# Altium PCB Power Selection_bottom_component.PcbDoc (part 2 of 2)
Units mm, origin at the board's own origin, x right, y up, seen from the top; angles counter-clockwise.
Board outline 95 x 95 mm, 4 copper layers (Top Layer, Ground, Signal, Bottom Layer), stack 0.777 mm thick; 138 components, 66 nets, 551 pads, 136 vias.
Unrouted connection lines stored in the file: 1.
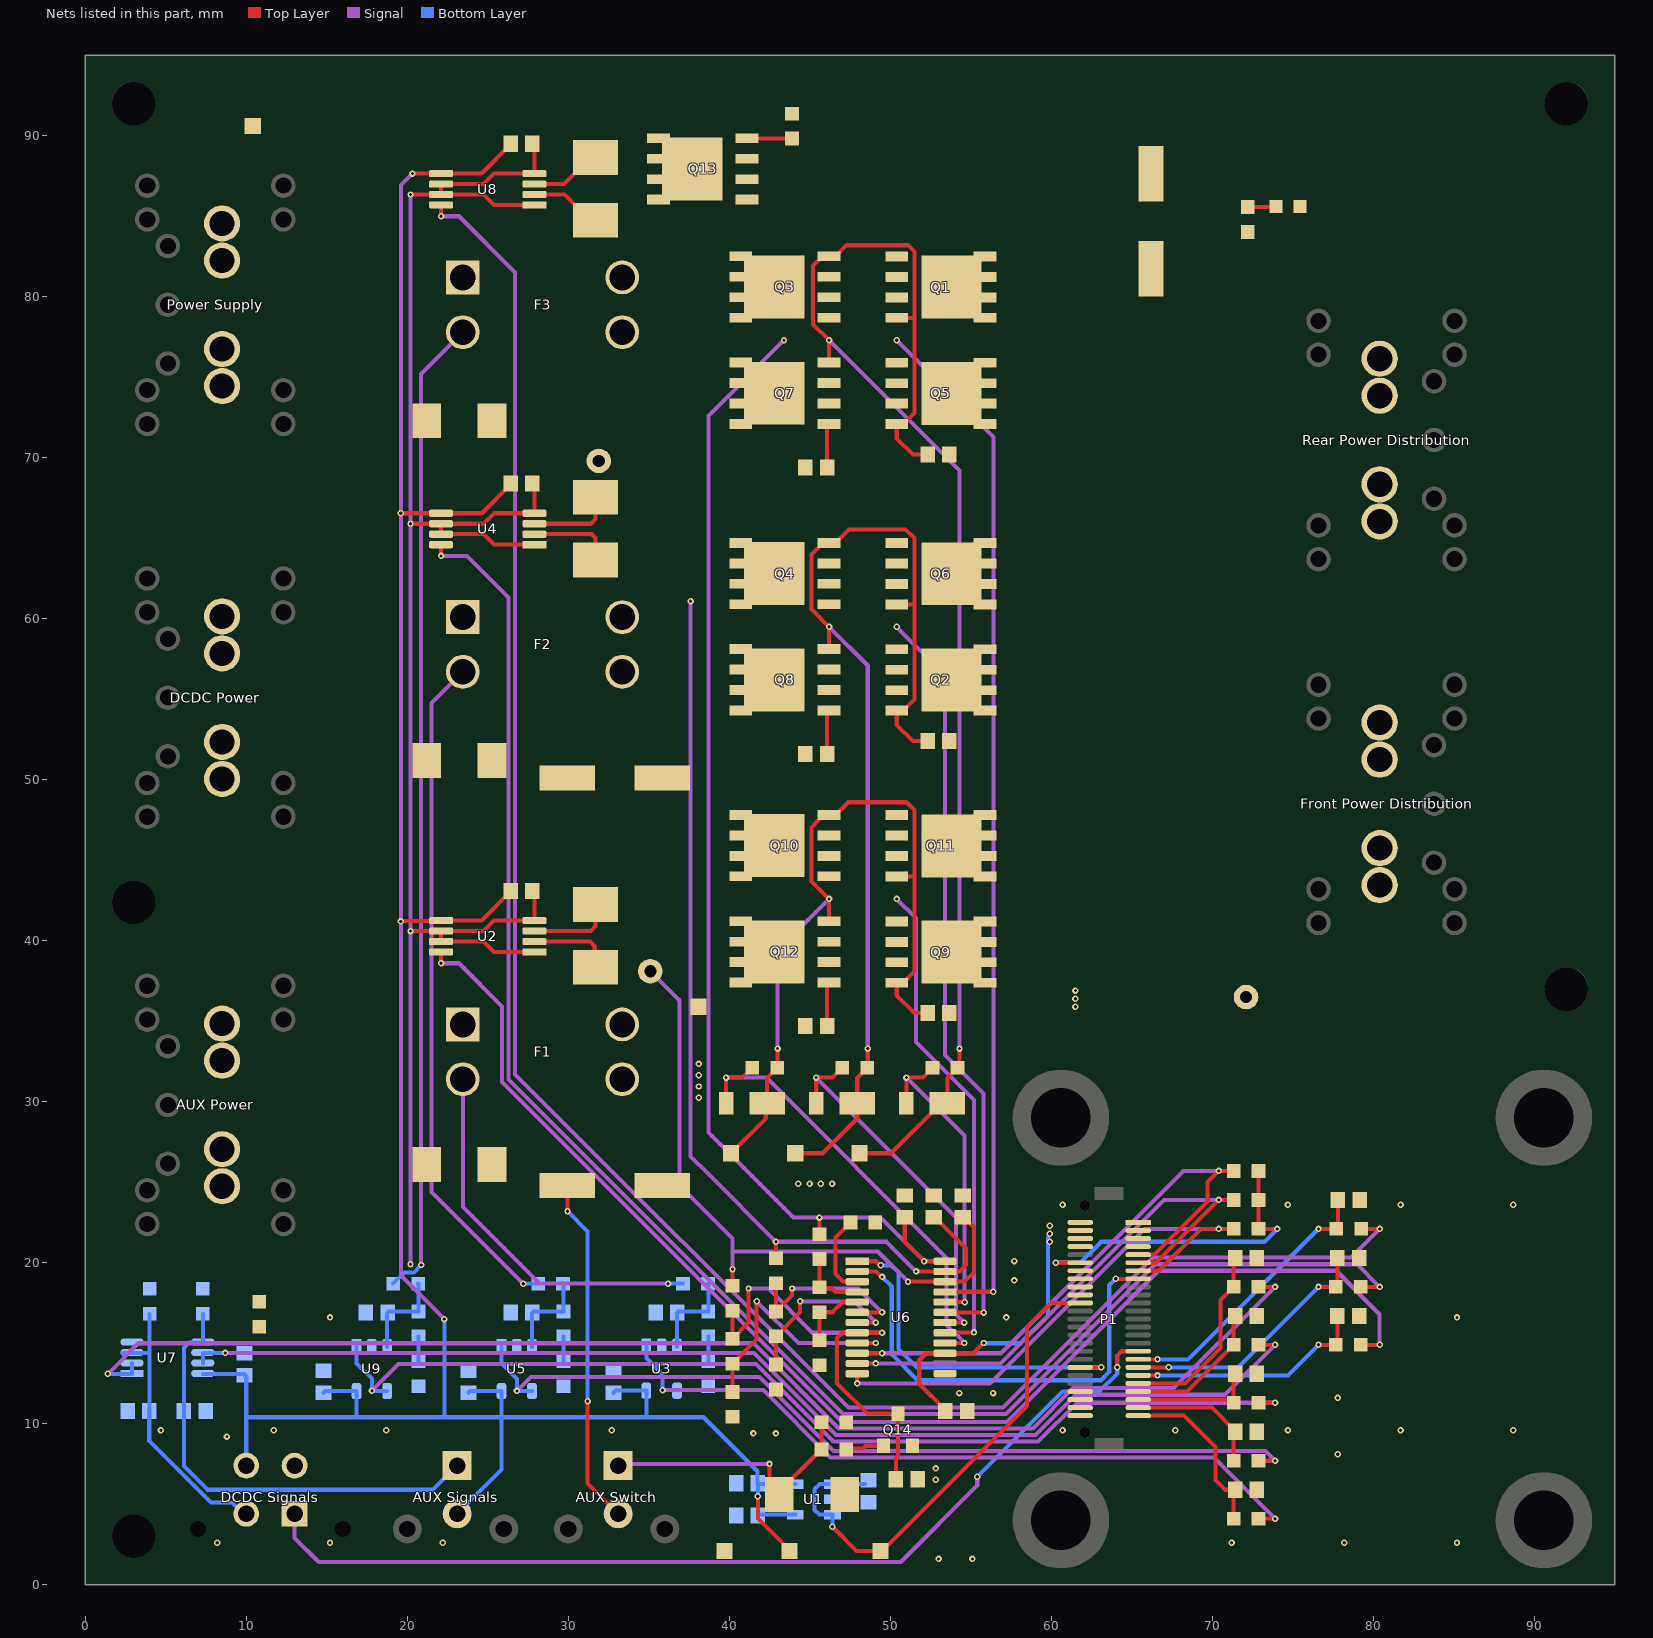
[diagram p4: the nets of this part, all layers, seen from the top]

## Part data (continued)
R28: "76.8 kOhms ±1% 0.1W, 1/10W Chip Resistor 0603 (1608 Metric) Automotive AEC-Q200 Thick Film", Power (Watts)=1/10W, Resistance="76.8 k", Supplier Part Number 1=RMCF0603FT76K8CT-ND, ComponentLink1Description=https://www.seielect.com/catalog/sei-rmcf_rmcp.pdf, ComponentLink1URL=https://www.seielect.com/catalog/sei-rmcf_rmcp.pdf, Supplier 1=Digi-Key
R41: library part CMP-010-0039-1, "1 kOhms ��0.1% 0.1W, 1/10W Chip Resistor 0603 (1608 Metric) Automotive AEC-Q200 Thin Film", Case Code (Metric)=1608, Case/Package=0603, Manufacturer=Panasonic, Manufacturer Part Number=ERA3AEB103V, Max Operating Temperature=155��C, Max Power Dissipation=100mW, Min Operating Temperature=-55��C, Package Quantity=5000, Temperature Coefficient=25ppm/��C, Tolerance=0.1%, Voltage Rating=75V, ComponentLink1Description=Digikey, ComponentLink1URL=https://www.digikey.ca/product-detail/en/panasonic-electronic-components/ERA-3AEB102V/P1.0KDBCT-ND/1466052, ComponentLink2Description=http://www.farnell.com/datasheets/485442.pdf, ComponentLink2URL=http://www.farnell.com/datasheets/485442.pdf, ComponentLink3Description=http://industrial.panasonic.com/www-data/pdf/AOA0000/AOA0000CE26.pdf, ComponentLink3URL=http://industrial.panasonic.com/www-data/pdf/AOA0000/AOA0000CE26.pdf, ComponentLink4Description=http://www.farnell.com/datasheets/2052875.pdf, ComponentLink4URL=http://www.farnell.com/datasheets/2052875.pdf, ComponentLink5Description=http://www.farnell.com/datasheets/1776116.pdf, ComponentLink5URL=http://www.farnell.com/datasheets/1776116.pdf, ComponentLink6Description=http://uk.rs-online.com/webdocs/148c/0900766b8148c4ab.pdf, ComponentLink6URL=http://uk.rs-online.com/webdocs/148c/0900766b8148c4ab.pdf, ComponentLink7Description=http://www.farnell.com/datasheets/2059650.pdf, ComponentLink7URL=http://www.farnell.com/datasheets/2059650.pdf, ComponentLink8Description=http://www.produktinfo.conrad.com/datenblaetter/450000-474999/451250-da-01-en-WIDERSTAND_0603_ERA.pdf, ComponentLink8URL=http://www.produktinfo.conrad.com/datenblaetter/450000-474999/451250-da-01-en-WIDERSTAND_0603_ERA.pdf, Composition="Metal Film,Thin Film", Contact Plating=Tin, Depth=0.8mm, Design Item ID="RES SMD 1K OHM 0.1% 1/10W 0603", Height=0.45mm, Lead Free="Lead Free", Length=1.6mm, Military Standard=Not, Mount="Surface Mount", Number of Terminations=2, Packaging="Tape and Reel", Pins=2, Power Rating=100mW, Pricing 1="1 = 0.35000, 10 = 0.30000, 100 = 0.11720, 1000 = 0.04906, 2500 = 0.04498 (USD)", Radiation Hardening=No, REACH SVHC="No SVHC", RoHS=Yes, Source="Schematic Diagrams.SchLib", Stock 1=2747820, Termination=SMD/SMT, Voltage Rating (DC)=75V, Width=0.8mm
R43: library part CMP-010-0000-1, "RES SMD 0.0 OHM JUMPER 1/4W 0603", Manufacturer 1="Vishay Dale", Manufacturer Part Number 1=CRCW06030000Z0EAHP, Operating Temperature="-55°C ~ 155°C", Package / Case="0603 (1608 Metric)", Power (Watts)=1/4W, Supplier Device Package=0603, ComponentLink1Description=http://www.vishay.com/docs/20043/crcwhpe3.pdf, ComponentLink1URL=http://www.vishay.com/docs/20043/crcwhpe3.pdf, Composition="Thick Film", Design Item ID="RES 0.0 OHM 1/4W 0603", Failure Rate=-, Height - Seated (Max)="0.022\" (0.55mm)", Packaging="Cut Tape (CT)", Part Status=Active, Size / Dimension="0.063\" L x 0.033\" W (1.60mm x 0.85mm)", Source="Schematic Diagrams.SchLib"
U1: "Linear Voltage Regulator IC 1 Output 200mA SOT-23-5", Supplier Part Number 1=296-12159-1-ND, ComponentLink1Description=https://media.digikey.com/pdf/Data%20Sheets/Texas%20Instruments%20PDFs/TPS793_Rev2015.pdf, ComponentLink1URL=https://media.digikey.com/pdf/Data%20Sheets/Texas%20Instruments%20PDFs/TPS793_Rev2015.pdf, Supplier 1=Digi-Key
U2 U4 U8: library part "IC CURRENT AMPLIFIER INA240 8-TSSOP", "Current Sense Amplifier 1 Circuit 8-TSSOP", Current - Supply=1.8mA, Manufacturer 1="Texas Instruments", Manufacturer Part Number 1=INA240A3PWR, Operating Temperature="-40°C ~ 125°C", Package / Case="8-TSSOP (0.173\", 4.40mm Width)", Supplier Device Package=8-TSSOP, Supplier Part Number 1=296-45090-1-ND, Voltage - Supply, Single/Dual (±)="2.7 V ~ 5.5 V", Amplifier Type="Current Sense", Category="Integrated Circuits (ICs)", ComponentLink1Description=http://www.ti.com/lit/ds/symlink/ina240.pdf, ComponentLink1URL=http://www.ti.com/lit/ds/symlink/ina240.pdf, Description 1="IC AMP CURRENT SENSE 8-TSSOP", Mounting Type="Surface Mount", Output Type=-, Packaging="Cut Tape (CT)", Part Status=Active, Pricing 1="1=3.79, 10=3.397, 100=2.7311, 500=2.24388, 1000=1.85921 (CAD)", RoHS="RoHS Compliant", Slew Rate="2 V/µs", Stock 1=1286, Supplier 1=Digi-Key
U3 U5 U9: "General Purpose Amplifier 1 Circuit Rail-to-Rail SOT-23-5", Current - Output / Channel=50mA, Current - Supply=400µA, Manufacturer 1="Texas Instruments", Manufacturer Part Number 1=TLV316QDBVRQ1, Operating Temperature="-40°C ~ 125°C", Package / Case="SC-74A, SOT-753", Supplier Device Package=SOT-23-5, Supplier Part Number 1=296-45323-1-ND, Voltage - Supply, Single/Dual (±)="1.8 V ~ 5.5 V, ±0.9 V ~ 2.75 V", -3db Bandwidth=-, Amplifier Type="General Purpose", Category="Integrated Circuits (ICs)", ComponentLink1Description=http://www.ti.com/lit/ds/symlink/tlv316-q1.pdf, ComponentLink1URL=http://www.ti.com/lit/ds/symlink/tlv316-q1.pdf, Description 1="IC OP AMP GP RR 10MHZ 5-SOT-23", Mounting Type="Surface Mount", Number of Circuits=1, Output Type=Rail-to-Rail, Packaging="Cut Tape (CT)", Part Status=Active, Pricing 1="1=1.33, 10=1.185, 100=0.9234, 500=0.76276, 1000=0.60218 (CAD)", RoHS="RoHS Compliant", Slew Rate="6 V/µs", Stock 1=1747, Supplier 1=Digi-Key
U6: "OR Controller Source Selector Switch P-Channel 3:1 24-SSOP", Current - Output (Max)=-, Current - Supply=28µA, Manufacturer 1="Linear Technology", Manufacturer Part Number 1=LTC4417CGN#PBF, Operating Temperature="0°C ~ 70°C", Package / Case="24-SSOP (0.154\", 3.90mm Width)", Supplier Device Package=24-SSOP, Supplier Part Number 1=LTC4417CGN#PBF-ND, Voltage - Supply="2.5 V ~ 36 V", ComponentLink1Description=http://www.linear.com/docs/42408, ComponentLink1URL=http://www.linear.com/docs/42408, FET Type=P-Channel, Internal Switch(s)=No, Mounting Type="Surface Mount", Packaging=Tube, Part Status=Active, Ratio - Input:Output=3:1, Supplier 1=Digi-Key, Type="Source Selector Switch"
U7: "General Purpose Amplifier 2 Circuit Rail-to-Rail 8-VSSOP", Case/Package=VSSOP, Input Bias Current=5pA, Input Offset Voltage (Vos)=250uV, Manufacturer="Texas Instruments", Manufacturer Part Number=OPA2197IDGKR, Max Operating Temperature=125°C, Min Operating Temperature=-40°C, Operating Supply Current=1mA, Output Current per Channel=65mA, Supplier Part Number 1=296-47349-1-ND, ComponentLink1Description=http://www.ti.com/lit/ds/symlink/opa2197.pdf, ComponentLink1URL=http://www.ti.com/lit/ds/symlink/opa2197.pdf, Gain Bandwidth Product=10MHz, Lead Free="Lead Free", Mount="Surface Mount", Number of Channels=2, Number of Circuits=2, Packaging="Tape and Reel", Pricing 1="1=2.41, 10=2.162, 100=1.7376, 500=1.4276, 1000=1.1829 (USD)", Slew Rate=20V/µs, Stock 1=2171, Supplier 1=Digi-Key

## Free pads (board coordinates)
  round 2.7 hole 2.7: ""(3,3) ""(3,42.4) ""(3,92) ""(92,37) ""(92,92)

## Via types
v1: diameter 0.4, hole 0.2, Top Layer to Bottom Layer, tented both sides, 111 vias
v2: diameter 0.4, hole 0.2, Top Layer to Bottom Layer, 25 vias

## Nets (pads, with @x,y where several pads share a name; then routed paths per layer and width w, separated by ;. In a path a pad name is that pad's centre, name@x,y a point inside that pad or via, vN(x,y) a via of type N, cw(c..) or ccw(c..) an arc to the next point about the centre after c; other vN are vias at no path point)
3V3: 3V3TP.TP C1.1 P1.40 P1.41 P1.42 P1.43 P1.44 P1.45 R17.1 R18.1 R19.1 U1.1 U1.3 | length 52.7
  Top Layer w0.254: v1(46.4,3.6) 47.9,2.1 49.5,2.1 58.5,11.1 58.5,16 60,17.5 P1.40@61.8,17.5 ; v1(60.279,20) P1.45@61.8,20 ; R17.1@72.875,25.7 R18.1@72.875,23.9 R19.1@72.875,22.1 v1(74.037,22.1)
  Bottom Layer w0.254: v1@46.402,3.6 46.402,4.348 U1.3@46.4,4.35 45.598,4.35 45.3,4.648 45.3,5.928 45.622,6.25 U1.1@46.4,6.25 C1.1@48.423,6.25 ; v1(60.279,20) 61.804,20 63.104,21.3 73.237,21.3 v1(74.037,22.1)
AUX_BAT_IN: "AUX Power.1" D1.1 F1.1 F1.2 R4.1 | length 23.6
  Signal w0.254: F1.2@23.45,31.4 23.45,23.45 28.2,18.7 v1(36.2,18.7)
  Bottom Layer w0.254: v1(36.2,18.7) R4.1@37.125,18.7
AUX_FSD: "AUX Switch.2" C4.1 F1.3 F1.4 R2.1 U2.2 | length 26.9
  Top Layer w0.254: U2.2@27.9,39.95 31.35,39.95 31.643,39.657 31.643,38.407 R2.1@31.7,38.35 ; v1(29.95,23.2) C4.1@29.95,24.8 ; v1(31.2,11.4) 31.2,6.3 33.1,4.4
  Bottom Layer w0.254: v1(29.95,23.2) 31.2,21.95 v1(31.2,11.4)
AUX_FUSED: AUX.TH_TP C26.1 Q10.5 Q10.6 Q10.7 Q10.8 Q12.5 Q12.6 Q12.7 Q12.8 R2.2 R23.1 U2.3 U6.22 | length 46.7
  Top Layer w0.254: U2.3@27.9,40.6 31.4,40.6 31.7,40.9 R2.2@31.7,42.25 ; R23.1@40.2,18.575 v1(40.2,19.6) ; v1(51.1,18.822) 53.401,18.822 54.614,18.822 55.188,19.397 55.188,22.187 54.55,22.825 C26.1@54.5,22.825
  Signal w0.254: AUX.TH_TP@35.1,38.1 36.9,36.3 36.9,24.8 40.2,21.5 40.2,20.7 ; v1(40.2,19.6) 40.2,20.7 ; v1(51.1,18.822) 49.222,20.7 40.2,20.7
DCDC_FUSED: C25.1 DCDC.TH_TP Q4.5 Q4.6 Q4.7 Q4.8 Q8.5 Q8.6 Q8.7 Q8.8 R8.2 R21.1 U4.3 U6.23 | length 64.8
  Top Layer w0.254: U4.3@27.9,65.9 31.4,65.9 31.7,66.2 R8.2@31.7,67.55 ; R21.1@42.9,20.275 v1(42.9,21.3) ; v1(51.6,19.457) 53.401,19.457 54.291,19.457 54.7,19.866 54.7,20.875 C25.1@52.75,22.825
  Signal w0.254: v2(37.6,61.084) 37.6,26.6 38.7,25.5 v1(42.9,21.3) 49.757,21.3 v1(51.6,19.457)
DCDC_UNFUSED: "DCDC Power.1" D2.1 F2.1 F2.2 R10.1 | length 42.1
  Signal w0.254: F2.2@23.426,56.7 21.5,54.774 21.5,24.4 v1(27.2,18.7)
  Bottom Layer w0.254: v1(27.2,18.7) R10.1@28.125,18.7
GND: "AUX Power.2" "DCDC Power.2" "Front Power Distribution.2" "Power Supply.2" "Rear Power Distribution.2" C4.2 C10.2 C16.2 C17.2 C18.2 C22.2 D1.2 D2.2 D6.2 GND1.TP GND2.TP LED1.2 R35.2 R43.1
LDO_3V: "AUX Signals.2" "DCDC Signals.1" C3.1 C5.1 C7.1 C11.1 C13.1 C28.1 C33.1 C35.1 LDO_3V.TP U1.5 U2.5 U3.5 U4.5 U5.5 U7.8 U8.5 U9.5 | length 168.6
  Top Layer w0.254: v1(19.6,41.2) 19.625,41.225 U2.5@22.075,41.225 ; v1(19.6,66.55) U4.5@22.1,66.55 24.625,66.55 26.425,68.35 C11.1@26.425,68.4 ; v1(20.321,87.65) U8.5@22.1,87.65 24.625,87.65 26.425,89.45 C33.1@26.425,89.5 ; U2.5@22.1,41.25 24.625,41.25 26.425,43.05 C5.1@26.425,43.1 ; v1(41.775,5.5) 41.775,4.125 LDO_3V.TP@43.774,2.126
  Signal w0.254: v1(20.321,87.65) 19.6,86.929 v1(19.6,66.55) v1(19.6,41.2) 19.6,19.2 v2(22.3,16.5)
  Bottom Layer w0.254: U7.8@7.3,13.1 C28.1@9.9,13.1 ; C28.1@9.9,13.025 10,12.925 10,10.4 ; 10,7.4 10,10.4 ; C35.1@14.8,11.925 14.9,12.025 U9.5@16.85,12.025 16.85,10.4 ; v2(22.3,16.5) 22.3,10.4 ; 23.1,4.4 25.85,7.15 25.85,10.4 ; C13.1@23.8,11.925 23.9,12.025 U5.5@25.85,12.025 25.85,10.4 ; C7.1@32.8,11.925 32.925,12.05 U3.5@34.85,12.05 34.85,10.404 34.854,10.4 ; v1(41.775,5.5) 41.775,6.256 41.753,6.278 C3.1@41.775,6.3 ; U1.5@44.1,6.25 41.825,6.25 C3.1@41.775,6.3 ; 10,10.4 16.85,10.4 ; 16.85,10.4 22.3,10.4 ; 22.3,10.4 25.85,10.4 ; 25.85,10.4 34.854,10.4 ; 34.854,10.4 38.4,10.4 41.753,7.047 41.753,6.322 C3.1@41.775,6.3
"NetAUX Signals_1": "AUX Signals.1" C31.1 R33.1 U7.5 | length 28.6
  Bottom Layer w0.254: R33.1@7.3,16.825 U7.5@7.3,15.075 7.3,15.05 7.291,15.041 6.449,15.041 6.125,14.718 C31.1@6.125,10.8 6.125,7.375 7.6,5.9 21.6,5.9 23.1,7.4
"NetAUX Switch_1": "AUX Switch.1" D7.1 R41.1 R42.1 | length 17.3
  Top Layer w0.254: v1(42.5,7.5) 42.5,6.2 D7.1@43.1,5.6 43.1,5.79 45.412,8.102 45.427,8.102 R41.1@45.725,8.4 R42.1@45.725,10.1
  Signal w0.254: 33.1,7.4 33.2,7.3 33.4,7.5 v1(42.5,7.5)
NetC2_1: C2.1 U1.4 | length 2.3
  Bottom Layer w0.254: C2.1@41.775,4.3 41.825,4.35 U1.4@44.1,4.35
NetC8_1: C8.1 R4.2 R6.1 U3.3 | length 5.8
  Bottom Layer w0.254: U3.3@36.75,14.8 36.75,16.875 C8.1@36.775,16.9 36.85,16.975 R6.1@38.7,16.975 38.7,18.675 R4.2@38.675,18.7
NetC10_1: C10.1 F2.3 F2.4 R8.1 U4.2 | length 5.3
  Top Layer w0.254: U4.2@27.9,65.25 31.456,65.25 31.7,65.006 R8.1@31.7,63.65
NetC14_1: C14.1 R10.2 R12.1 U5.3 | length 5.8
  Bottom Layer w0.254: U5.3@27.75,14.775 27.75,16.875 C14.1@27.775,16.9 27.85,16.975 R12.1@29.7,16.975 29.7,18.675 R10.2@29.675,18.7
NetC27_1: C27.1 Q14.3 R23.2 R27.1 U6.8 | length 29.1
  Top Layer w0.254: R23.2@40.2,17.025 R27.1@40.2,15.275 41.2,16.275 v1(41.2,18.4) ; v1(49.491,15.647) U6.8@47.951,15.647 47.022,15.647 46.7,15.325 46.7,12.5 48.576,10.624 Q14.3@50.473,10.624 50.473,7.945 50.35,7.822 C27.1@50.35,6.549
  Signal w0.254: v1(41.2,18.4) 42.423,18.4 45.176,15.647 v1(49.491,15.647)
NetC29_1: "DCDC Signals.3" C29.1 R31.1 U7.3 | length 17.5
  Bottom Layer w0.254: U7.3@2.3,14.4 4,14.4 ; C29.1@3.975,10.8 3.975,8.925 7.8,5.1 9.1,5.1 9.8,4.4 10,4.4 ; C29.1@3.975,10.85 C29.1@4,10.825 ; C29.1@3.975,10.875 4,10.9 4,14.4 ; R31.1@4,16.825 4,14.4
NetC36_1: C36.1 R37.2 R39.1 U9.3 | length 5.8
  Bottom Layer w0.254: U9.3@18.75,14.775 18.75,16.875 C36.1@18.775,16.9 18.85,16.975 R39.1@20.7,16.975 20.7,18.675 R37.2@20.675,18.7
NetD3_1: D3.1 R14.2 U6.20 | length 20.2
  Top Layer w0.254: D3.1@51,29.9 v1(51,31.5) 52.025,31.5 R14.2@52.625,32.1 ; U6.20@53.401,17.552 53.405,17.549 54.627,17.549 v1(54.631,17.545)
  Signal w0.254: v1(51,31.5) 54.6,27.9 54.6,17.679 54.603,17.676 54.603,17.573 v1(54.631,17.545)
NetD4_1: D4.1 R15.2 U6.18 | length 23.7
  Top Layer w0.254: D4.1@45.4,29.9 v1(45.4,31.5) 46.425,31.5 R15.2@47.025,32.1 ; U6.18@53.406,16.287 U6.18@53.401,16.282 v1(54.6,16.282)
  Signal w0.254: v1(45.4,31.5) 54.092,22.808 54.092,16.791 v1(54.6,16.282)
NetD5_1: D5.1 R16.2 U6.16 | length 28.8
  Top Layer w0.254: D5.1@39.8,29.9 v1(39.8,31.5) 40.825,31.5 R16.2@41.425,32.1 ; U6.16@53.401,15.012 v1(54.6,15.012)
  Signal w0.254: v1(39.8,31.5) 42.3,31.5 53.5,20.3 53.5,16.144 54.6,15.044 v1(54.6,15.012)
NetF3_3: F3.3 F3.4 R34.1 U8.2 | length 4.5
  Top Layer w0.254: U8.2@27.9,86.35 29.775,86.35 31.375,84.75 R34.1@31.7,84.75
NetLED1_1: LED1.1 R1.2 | length 1.8
  Top Layer w0.254: R1.2@72.2,85.575 73.915,85.575 LED1.1@73.95,85.61
NetQ13_4: Q13.4 R35.1 | length 2.8
  Top Layer w0.254: Q13.4@41.1,89.84 43.885,89.84 R35.1@43.9,89.825
NetQ13_5: Q13.5 Q13.6 Q13.7 Q13.8 R34.2 U8.3 | length 4.5
  Top Layer w0.254: U8.3@27.9,87 29.725,87 31.375,88.65 R34.2@31.7,88.65
NetQ14_1: Q14.1 R41.2 | length 2.4
  Top Layer w0.254: R41.2@47.273,8.449 48.298,8.449 48.473,8.624 Q14.1@49.573,8.624
NetR3_1: R3.1 U2.8 | length 81.6
  Top Layer w0.254: v1(22.1,38.6) U2.8@22.1,39.3 ; R3.1@79.225,14.9 v1(80.4,14.9)
  Signal w0.254: v1(22.1,38.6) 23.2,38.6 25.888,35.912 25.888,31.212 46.994,10.106 57.254,10.106 66.648,19.5 77.7,19.5 80.4,16.8 v1(80.4,14.9)
NetR5_1: R5.1 U3.1 U3.4 | length 46.4
  Top Layer w0.254: R5.1@72.875,4.1 v1(73.9,4.1)
  Signal w0.254: v1(35.855,12.082) 42.118,12.082 46.3,7.9 70.1,7.9 v1(73.9,4.1)
  Bottom Layer w0.254: U3.1@34.85,14.8 34.854,14.796 34.854,14.068 35.8,13.122 35.855,13.067 v1(35.855,12.082) U3.4@36.718,12.082
NetR6_2: R6.2 R7.1 | length 1.6
  Bottom Layer w0.254: R7.1@38.7,13.875 R6.2@38.7,15.425
NetR9_1: R9.1 U4.8 | length 104.2
  Top Layer w0.254: v1(22.1,63.9) U4.8@22.1,64.6 ; R9.1@79.225,18.5 v1(80.4,18.5)
  Signal w0.254: v1(22.1,63.9) 23.7,63.9 26.294,61.306 26.294,31.38 47.074,10.6 57.174,10.6 66.48,19.906 78.994,19.906 v1(80.4,18.5)
NetR11_1: R11.1 U5.1 U5.4 | length 55.3
  Top Layer w0.254: R11.1@72.875,7.7 v1(73.9,7.7)
  Signal w0.254: v1(26.812,12.038) 27.679,12.904 41.87,12.904 46.468,8.306 73.294,8.306 v1(73.9,7.7)
  Bottom Layer w0.254: U5.1@25.85,14.775 25.85,13.749 26.812,12.787 26.812,12.062 26.8,12.05 v1(26.812,12.038) ; U5.4@27.75,12.025 27.737,12.038 27.426,12.038 ; v1(26.812,12.038) 27.426,12.038 ; v1(26.812,12.038) 27.426,12.038
NetR12_2: R12.2 R13.1 | length 1.6
  Bottom Layer w0.254: R13.1@29.7,13.875 R12.2@29.7,15.425
NetR20_2: R20.2 R22.1 U6.4 | length 4.2
  Top Layer w0.254: R20.2@45.6,20.225 R22.1@45.6,18.475 45.659,18.416 46.36,18.416 46.589,18.187 U6.4@47.951,18.187
NetR21_2: R21.2 R26.1 U6.6 | length 11.3
  Top Layer w0.254: R21.2@42.9,18.725 R26.1@42.9,16.975 43.9,17.975 v1(43.9,18.4) ; U6.6@47.951,16.917 v1(49.491,16.917)
  Signal w0.254: v1(43.9,18.4) 48.009,18.4 v1(49.491,16.917)
NetR22_2: R22.2 R25.2 U6.5 | length 4.4
  Top Layer w0.254: R25.2@45.6,15.175 R22.2@45.6,16.925 46.425,16.925 47.044,17.544 47.943,17.544 U6.5@47.951,17.552
NetR24_1: R24.1 U6.3 | length 5.1
  Top Layer w0.254: R24.1@47.525,22.5 46.589,21.564 46.589,19.31 47.057,18.843 47.931,18.843 U6.3@47.951,18.822
NetR26_2: R26.2 R28.1 U6.7 | length 10.9
  Top Layer w0.254: R28.1@42.9,13.675 R26.2@42.9,15.425 44.4,16.925 v1(44.4,17.6) ; U6.7@47.951,16.282 v1(49.1,16.282)
  Signal w0.254: v1(44.4,17.6) 47.782,17.6 v1(49.1,16.282)
NetR27_2: R27.2 R29.1 U6.9 | length 15.9
  Top Layer w0.254: R29.1@40.2,11.975 R27.2@40.2,13.725 41.7,15.225 v1(41.7,17.6) ; U6.9@47.951,15.012 v1(49.1,15.012)
  Signal w0.254: v1(41.7,17.6) 44.288,15.012 v1(49.1,15.012)
NetR30_1: R30.1 U7.1 U7.2 | length 82.3
  Top Layer w0.254: R30.1@72.875,18.5 v1(73.9,18.5)
  Signal w0.254: v1(1.4,13.1) 3.3,15 41.5,15 46.8,9.7 58.852,9.7 61.358,12.206 67.606,12.206 v1(73.9,18.5)
  Bottom Layer w0.254: v1(1.4,13.1) 2.9,13.1 U7.1@2.9,13.125 U7.2@2.9,13.75
NetR32_1: R32.1 U7.6 U7.7 | length 72.7
  Top Layer w0.254: R32.1@72.875,14.9 v1(73.9,14.9)
  Signal w0.254: v1(8.7,14.4) 41.523,14.4 46.629,9.294 59.02,9.294 61.526,11.8 70.8,11.8 v1(73.9,14.9)
  Bottom Layer w0.254: U7.7@7.3,13.75 U7.7@7.3,13.775 7.3,14.4 v1(8.7,14.4)
NetR36_1: R36.1 U8.8 | length 124.6
  Top Layer w0.254: v1(22.1,85) U8.8@22.1,85.7 ; R36.1@79.25,22.1 v1(80.4,22.1)
  Signal w0.254: v1(22.1,85) 23.2,85 26.7,81.5 26.7,31.7 47.394,11.006 57.006,11.006 66.312,20.312 78.612,20.312 v1(80.4,22.1)
NetR38_1: R38.1 U9.1 U9.4 | length 64.9
  Top Layer w0.254: R38.1@72.875,11.3 v1(73.9,11.3)
  Signal w0.254: v1(17.8,12.05) 19.45,13.7 41.648,13.7 46.46,8.888 59.188,8.888 61.6,11.3 v1(73.9,11.3)
  Bottom Layer w0.254: U9.1@16.85,14.775 16.85,13.744 17.8,12.794 v1(17.8,12.05) 17.812,12.038 18.737,12.038 U9.4@18.75,12.025
NetR39_2: R39.2 R40.1 | length 1.6
  Bottom Layer w0.254: R40.1@20.7,13.875 R39.2@20.7,15.425
PA0_AUX_VSENSE: C9.1 P1.25 R5.2 | length 11
  Top Layer w0.254: P1.25@65.4,10.5 68.25,10.5 70.2,8.55 70.2,6.5 70.8,5.9 71.325,5.9 C9.1@71.425,5.9 71.325,5.8 R5.2@71.325,4.1
PA1_DCDC_VSENSE: C15.1 P1.24 R11.2 | length 8.5
  Top Layer w0.254: P1.24@65.4,11 69.975,11 71.425,9.55 C15.1@71.425,9.5 71.325,9.4 R11.2@71.325,7.7
PA2_PWR_SUP_VSENSE: C37.1 P1.23 R38.2 | length 7.8
  Top Layer w0.254: P1.23@65.4,11.5 71.125,11.5 R38.2@71.325,11.3 71.325,13 C37.1@71.425,13.1
PA3_AUX_TEMP: C32.1 P1.22 R32.2 | length 9
  Top Layer w0.254: P1.22@65.4,12 68.425,12 R32.2@71.325,14.9 71.325,16.6 C32.1@71.425,16.7
PA4_DCDC_TEMP: C30.1 P1.21 R30.2 | length 12
  Top Layer w0.254: P1.21@65.4,12.5 65.409,12.509 68.309,12.509 70.5,14.7 70.5,17.675 R30.2@71.325,18.5 71.325,20.2 C30.1@71.425,20.3
PA5_AUX_ISENSE: C6.1 P1.20 R3.2 | length 14.9
  Top Layer w0.254: P1.20@65.4,13 v1(66.6,13) ; v1(76.6,14.9) R3.2@77.675,14.9 77.775,15 C6.1@77.775,16.7
  Bottom Layer w0.254: v1(66.6,13) 74.7,13 v1(76.6,14.9)
PA6_DCDC_ISENSE: C12.1 P1.19 R9.2 | length 16.2
  Top Layer w0.254: P1.19@65.4,13.5 v1(67.3,13.5) ; v1(76.6,18.5) R9.2@77.675,18.5 77.775,18.6 C12.1@77.775,20.3
  Bottom Layer w0.254: v1(67.3,13.5) 71.6,13.5 v1(76.6,18.5)
PA7_PWR_SUP_ISENSE: C34.1 P1.18 R36.2 | length 17.5
  Top Layer w0.254: P1.18@65.4,14 v1(66.6,14) ; v1(76.6,22.1) R36.2@77.7,22.1 77.8,22.2 C34.1@77.8,23.9
  Bottom Layer w0.254: v1(66.6,14) 68.491,14 v1@76.6,22.109
PA8_EN: P1.32 U6.1 | length 22
  Top Layer w0.254: U6.1@47.951,20.092 49.113,20.092 49.368,19.837 v1(49.408,19.837) ; P1.32@61.8,13.5 v1(63.1,13.5)
  Bottom Layer w0.254: v1(49.408,19.837) 50.055,19.837 50.5,19.392 50.5,14.649 51.649,13.5 v1(63.1,13.5)
PA8_V\A\L\I\D\3\: P1.7 R19.2 U6.12 | length 34
  Top Layer w0.254: v1(47.943,12.5) 47.943,13.099 U6.12@47.951,13.107 ; P1.7@65.4,19.5 66.7,19.5 69.3,22.1 v1(70.4,22.1) R19.2@71.325,22.1
  Signal w0.254: v1(47.943,12.5) 56.2,12.5 65.8,22.1 v1(70.4,22.1)
PA9_V\A\L\I\D\2\: P1.6 R18.2 U6.11 | length 34.2
  Top Layer w0.254: U6.11@47.951,13.742 v1(49.1,13.742) ; P1.6@65.4,20 66.5,20 v1(70.4,23.9) R18.2@71.325,23.9
  Signal w0.254: v1(49.1,13.742) 56.842,13.742 67,23.9 v1(70.4,23.9)
PA10_V\A\L\I\D\1\: P1.5 R17.2 U6.10 | length 35.9
  Top Layer w0.254: U6.10@47.951,14.377 v1(49.491,14.377) ; P1.5@65.4,20.5 65.409,20.509 66.409,20.509 69.7,23.8 69.7,25 v1(70.4,25.7) R17.2@71.325,25.7
  Signal w0.254: v1(49.491,14.377) 56.877,14.377 68.2,25.7 v1(70.4,25.7)
PB0_DCDC_FAULT: "DCDC Signals.4" P1.17 | length 60.9
  Top Layer w0.254: v1(64.1,13.5) 64.1,14.242 64.358,14.5 P1.17@65.4,14.5
  Signal w0.254: 13,4.4 13,2.9 14.5,1.4 50.65,1.4 55.4,6.15 v1(55.4,6.7)
  Bottom Layer w0.254: v1(55.4,6.7) 60.7,12 62.974,12 64.1,13.126 v1(64.1,13.5)
PB15_S\H\D\N\: P1.8 U6.2 | length 28.5
  Top Layer w0.254: U6.2@47.951,19.457 49.115,19.457 49.452,19.121 v1(49.491,19.121) ; v1(64,19) P1.8@65.4,19
  Bottom Layer w0.254: v1(49.491,19.121) 50.094,18.518 50.094,14.29 51.684,12.7 63.1,12.7 63.6,13.2 63.6,18.6 v1(64,19)
"Power Supply_UNFUSED": "Power Supply.1" D6.1 F3.1 F3.2 R37.1 | length 61.2
  Signal w0.254: v1(20.863,19.858) 20.863,75.213 F3.2@23.45,77.8
  Bottom Layer w0.254: R37.1@19.125,18.7 19.829,19.404 20.408,19.404 v1(20.863,19.858)
POWER_SUPLLY_FUSED: C24.1 Q3.5 Q3.6 Q3.7 Q3.8 Q7.5 Q7.6 Q7.7 Q7.8 Q13.1 Q13.2 Q13.3 R20.1 U6.24 | length 73.4
  Top Layer w0.254: R20.1@45.6,21.775 v1(45.6,22.8) ; C24.1@50.9,22.825 50.9,21.3 52.1,20.1 v1(52.1,20.092) ; v1(52.1,20.092) U6.24@53.401,20.092
  Signal w0.254: v1(43.4,77.3) 38.7,72.6 38.7,28.1 44,22.8 v1(45.6,22.8) 49.4,22.8 52.1,20.1 v1(52.1,20.092)
SIG_GND: "DCDC Signals.2" C1.2 C2.2 C3.2 C5.2 C6.2 C7.2 C8.2 C9.2 C11.2 C12.2 C13.2 C14.2 C15.2 C23.2 C24.2 C25.2 C26.2 C27.2 C28.2 C29.2 C30.2 C31.2 C32.2 C33.2 C34.2 C35.2 C36.2 C37.2 D7.2 GND3.TP P1.1 P1.2 P1.3 P1.4 P1.26 P1.27 P1.28 P1.29 Q14.2 R7.2 R13.2 R24.2 R25.1 R28.2 R29.2 R31.2 R33.2 R40.2 R42.2 R43.2 U1.2 U2.1 U2.4 U2.6 U2.7 U3.2 U4.1 U4.4 U4.6 U4.7 U5.2 U6.13 U7.4 U8.1 U8.4 U8.6 U8.7 U9.2 | length 116.2
  Top Layer w0.254: v1(20.2,40.6) U2.6@22.1,40.6 ; v1(20.2,65.9) U4.6@22.1,65.9 ; v1@20.25,86.35 22.05,86.35 22.075,86.325 U8.7@22.1,86.35 ; C5.2@27.775,43.1 27.9,42.975 U2.4@27.9,41.25 25.374,41.25 24.724,40.6 U2.6@22.1,40.6 ; C11.2@27.775,68.4 27.9,68.275 U4.4@27.9,66.55 25.374,66.55 24.724,65.9 U4.6@22.1,65.9 ; C33.2@27.775,89.5 27.9,89.375 U8.4@27.9,87.65 25.374,87.65 24.724,87 U8.6@22.1,87 U8.7@22.1,86.35 ; U2.1@27.9,39.3 25.374,39.3 24.724,39.95 U2.7@22.1,39.95 U2.6@22.1,40.6 ; U4.1@27.9,64.6 25.374,64.6 24.724,65.25 U4.7@22.1,65.25 U4.6@22.1,65.9 ; U8.1@27.9,85.7 25.374,85.7 24.724,86.35 U8.7@22.1,86.35
  Signal w0.254: v2(20.2,19.9) 20.2,40.51 20.25,40.56 v1@20.25,40.6 ; v1(20.2,40.6) 20.2,65.81 v1@20.25,65.86 ; v1(20.2,65.9) 20.2,86.26 20.25,86.31 v1@20.25,86.35
  other v1: 53,1.6 55.1,1.6 52.823,6.524 52.823,7.224 77.8,8.1 8.8,9.2 41.5,9.4 42.9,9.4 77.8,11.6 54.283,11.9 56.383,11.9 57.7,18.9 57.7,20.1 44.288,24.9 44.988,24.9 45.688,24.9 46.388,24.9 38.1,30.246 38.1,30.946 38.1,31.646 38.1,32.346 20.2,86.35
  other v2: 8.2,2.6 15.2,2.6 22.2,2.6 71.2,2.6 78.2,2.6 85.2,2.6 4.7,9.6 11.7,9.6 18.7,9.6 32.7,9.6 60.7,9.6 67.7,9.6 74.7,9.6 81.7,9.6 88.7,9.6 15.2,16.6 57.2,16.6 85.2,16.6 60.7,23.6 74.7,23.6 81.7,23.6 88.7,23.6
VBAT: "Front Power Distribution.1" "Rear Power Distribution.1" C19.2 C20.2 C21.2 C22.1 C23.1 P1.47 P1.48 P1.49 P1.50 Q1.5 Q1.6 Q1.7 Q1.8 Q2.5 Q2.6 Q2.7 Q2.8 Q5.5 Q5.6 Q5.7 Q5.8 Q6.5 Q6.6 Q6.7 Q6.8 Q9.5 Q9.6 Q9.7 Q9.8 Q11.5 Q11.6 Q11.7 Q11.8 R1.1 U6.15 VBAT.TH_TP | length 17.9
  Top Layer w0.254: C23.1@53.425,10.8 53.425,10.85 51.8,12.475 51.8,13.942 52.235,14.377 U6.15@53.401,14.377 55.165,14.377 v1(55.8,15.012)
  Bottom Layer w0.254: v1(55.8,15.012) 55.812,15 58.1,15 59.8,16.7 59.8,21.6
  other v1: 59.9,21.3 59.9,21.8 59.9,22.3 61.5,35.9 61.5,36.4 61.5,36.9
VG_1: C19.1 D3.2 Q1.4 Q3.4 Q5.4 Q7.4 R14.1 TP2.TP | length 86.9
  Top Layer w0.254: Q7.4@46.2,75.91 v1(46.2,77.3) 46.19,77.3 45.211,78.279 45.211,81.926 45.795,82.51 Q3.4@46.2,82.51 46.605,82.51 47.295,83.2 51.11,83.2 51.5,82.81 51.5,78.69 ; TP2.TP@48.1,26.8 50.05,26.8 53.15,29.9 D3.2@53.55,29.9 53.55,31.475 R14.1@54.175,32.1 54.3,32.225 v1(54.3,33.3) ; Q1.4@50.4,78.69 51.5,78.69 ; C19.1@52.32,70.205 51.4,70.205 50.4,71.205 Q5.4@50.4,72.09 50.805,72.09 51.5,72.785 51.5,78.69
  Signal w0.254: v1(46.2,77.3) 54.3,69.2 v1(54.3,33.3)
VG_2: C20.1 D4.2 Q2.4 Q4.4 Q6.4 Q8.4 R15.1 TP1.TP | length 65.9
  Top Layer w0.254: TP1.TP@44.1,26.8 45.8,26.8 47.95,28.95 D4.2@47.95,29.9 47.95,31.475 R15.1@48.575,32.1 48.6,32.125 v1(48.6,33.3) ; Q8.4@46.2,58.11 v1(46.2,59.5) 46.19,59.5 45.1,60.59 45.1,63.981 45.617,64.498 45.617,64.532 45.795,64.71 Q4.4@46.2,64.71 46.605,64.71 47.446,65.551 50.958,65.551 51.5,65.01 51.5,60.89 ; Q6.4@50.4,60.89 51.5,60.89 ; C20.1@52.325,52.4 51.4,52.4 50.4,53.4 Q2.4@50.4,54.29 50.805,54.29 51.5,54.985 51.5,60.89
  Signal w0.254: v1(46.2,59.5) 48.6,57.1 v1(48.6,33.3)
VG_3: C21.1 D5.2 Q9.4 Q10.4 Q11.4 Q12.4 R16.1 TP3.TP | length 47.7
  Top Layer w0.254: TP3.TP@40.1,26.8 42.268,28.968 42.268,29.818 D5.2@42.35,29.9 42.35,31.475 R16.1@42.975,32.1 43,32.125 v1(43,33.3) ; Q12.4@46.2,41.21 v1(46.2,42.6) 46.19,42.6 45.1,43.69 45.1,47.031 45.617,47.548 45.617,47.632 45.795,47.81 46.605,47.81 47.395,48.6 51.01,48.6 51.5,48.11 51.5,43.99 ; Q11.4@50.4,43.99 51.5,43.99 ; C21.1@52.325,35.5 51.5,35.5 50.4,36.6 Q9.4@50.4,37.39 50.805,37.39 51.5,38.085 51.5,43.99
  Signal w0.254: v1@43,33.2 v1(43,33.3) 43,39.4 v1(46.2,42.6)
VS_1: C16.1 Q1.1 Q1.2 Q1.3 Q3.1 Q3.2 Q3.3 Q5.1 Q5.2 Q5.3 Q7.1 Q7.2 Q7.3 U6.21 | length 67.3
  Top Layer w0.254: C16.1@46.075,69.4 46.075,71.975 Q7.1@46.2,72.1 ; U6.21@53.401,18.187 53.408,18.194 56.394,18.194 v1(56.4,18.2)
  Signal w0.254: v1(50.4,77.3) 56.4,71.3 v1(56.4,18.2)
VS_2: C17.1 Q2.1 Q2.2 Q2.3 Q4.1 Q4.2 Q4.3 Q6.1 Q6.2 Q6.3 Q8.1 Q8.2 Q8.3 U6.19 | length 50
  Top Layer w0.254: C17.1@46.075,51.6 46.075,54.175 Q8.1@46.2,54.3 ; U6.19@53.401,16.917 53.41,16.909 55.791,16.909 v1(55.8,16.9)
  Signal w0.254: v1(50.4,59.5) 53.4,56.5 53.4,32.9 55.8,30.5 v1(55.8,16.9)
VS_3: C18.1 Q9.1 Q9.2 Q9.3 Q10.1 Q10.2 Q10.3 Q11.1 Q11.2 Q11.3 Q12.1 Q12.2 Q12.3 U6.17 | length 33.6
  Top Layer w0.254: C18.1@46,34.625 C18.1@46.075,34.7 46.075,37.275 Q12.1@46.2,37.4 ; U6.17@53.401,15.647 53.413,15.659 55.188,15.659 v1(55.2,15.671)
  Signal w0.254: v1(50.4,42.6) 51.6,41.4 51.6,33.7 55.2,30.1 v1(55.2,15.671)
pads on no net: "AUX Power.0" "AUX Signals.0" "AUX Switch.0" "DCDC Power.0" "DCDC Signals." "Front Power Distribution.0" "Power Supply.0" "Rear Power Distribution.0" M1. M2. M3. M4. P1. P1.9 P1.10 P1.11 P1.12 P1.13 P1.14 P1.15 P1.16 P1.30 P1.31 P1.33 P1.34 P1.35 P1.36 P1.37 P1.38 P1.39 P1.46 U6.14

## Polygon pours and split planes (outlines as drawn)
VBAT on Top Layer "VBAT_L01_P027" (solid, pour order 27): 51.8,84.6 82.3,84.6 82.3,35 51.8,35
VS_3 on Top Layer "VS_3_L01_P026" (solid, pour order 26): 45.4,49.1 50.9,49.1 50.9,36.4 45.4,36.4
VS_2 on Top Layer "VS_2_L01_P025" (solid, pour order 25): 45.4,66 50.9,66 50.9,53.3 45.4,53.3
VS_1 on Top Layer "VS_1_L01_P024" (solid, pour order 24): 45.4,83.8 50.9,83.8 50.9,71.1 45.4,71.1
SIG_GND on Top Layer "SIG_GND_L01_P028" (solid, remove dead copper, pour order 28): 0,16.5 14.5,16.5 14.5,20.2 38.4,20.2 38.4,25.7 64.065,25.7 64.065,31.7 95,31.7 95,0 0,0
GND on Top Layer "GND_L01_P029" (solid, remove dead copper, pour order 29): 0,0 0,95 95,95 95,0
SIG_GND on Bottom Layer "SIG_GND_L04_P032" (solid, remove dead copper, pour order 32): 0,20.2 56.8,20.2 56.8,32.3 95,32.3 95,0 0,0
GND on Bottom Layer "GND_L04_P033" (solid, remove dead copper, pour order 33): 0,0 0,95 95,95 95,0
SIG_GND on Signal "SIG_GND_L03_P030" (solid, remove dead copper, pour order 30): 0,20.2 56.7,20.2 56.684,20.216 56.684,32.3 95,32.3 95,0 0,0
GND on Signal "GND_L03_P031" (solid, remove dead copper, pour order 31): 0,95 95,95 95,0 0,0
SIG_GND on Ground (split plane): 94.49,94.49 94.49,0.51 0.51,0.51 0.51,94.49

## Keep-outs
Top Layer:
  rectangle: 57.3,0.7 63.9,7.3
  rectangle: 87.3,0.7 93.9,7.3
  rectangle: 87.3,25.7 93.9,32.3
  rectangle: 57.3,25.7 63.9,32.3
  rectangle: 89,89 95,95
  rectangle: 89,34 95,40
  rectangle: 0,0 6,6
  rectangle: 0,39.4 6,45.4
  rectangle: 0,89 6,95
Bottom Layer:
  rectangle: 57.3,0.7 63.9,7.3
  rectangle: 87.3,0.7 93.9,7.3
  rectangle: 87.3,25.7 93.9,32.3
  rectangle: 57.3,25.7 63.9,32.3
  rectangle: 0,39.4 6,45.4
  rectangle: 0,0 6,6
  rectangle: 89,34 95,40
  rectangle: 89,89 95,95
  rectangle: 0,89 6,95
Keep-Out Layer:
  the board outline again, w0.254

## Other copper
Top Layer:
  region net POWER_SUPLLY_FUSED: 40.1,84.9 38.6,84.9 38.6,71.5 40.1,71.5
  region net NetC10_1: 28.1,49.3 28.1,64.1 30.3,64.1 30.3,64.8 33.1,64.8 36.5,64.8 36.5,53.4 31.8,53.4 31.8,49.3
  region net DCDC_FUSED: 30.3,70.7 43.7,70.7 43.7,65.3 44.8,65.3 44.8,53.7 36.8,53.7 36.8,66.4 33.9,66.4 30.3,66.4
  region net AUX_BAT_IN: 9.1,36.3 11.9,33.5 9.1,33.5
  region net AUX_BAT_IN: 7,36.3 9.1,36.3 9.1,33.5 14.5,33.5 14.5,28.5 7,28.5
  region net AUX_BAT_IN: 14.5,36.6 14.5,24.6 23.1,24.6 23.1,29.6 26,29.6 26,36.6
  region net DCDC_UNFUSED: 26,61.9 26,54.9 23.1,54.9 23.1,49.7 14.5,49.7 14.5,61.9
  region net DCDC_UNFUSED: 7,61.6 9.1,61.6 9.1,58.8 14.5,58.8 14.5,53.8 7,53.8
  region net DCDC_UNFUSED: 9.1,61.6 11.9,58.8 9.1,58.8
  region net "Power Supply_UNFUSED": 14.5,83.45 26,83.45 26,75.35 23.1,75.35 23.1,70.15 14.5,70.15 14.5,78.2
  region net "Power Supply_UNFUSED": 9.1,86.25 11.9,83.45 9.1,83.45
  region net "Power Supply_UNFUSED": 7,86.25 9.1,86.25 9.1,83.45 14.5,83.45 14.5,78.2 7,78.2
  pour cut-out: 38.4,20.8 38.4,25.7 57.3,25.7 57.3,26.3 37.8,26.3 37.8,20.8
  pour cut-out: 14.5,20.8 13.9,20.8 13.9,17.1 0,17.1 0,16.5 14.5,16.5
  pour cut-out: 14.5,20.8 14.5,20.2 38.4,20.2 38.4,20.8
  pour cut-out: 57.3,32.3 57.3,31.7 95,31.7 95,32.3
  pour cut-out: 82.465,35
  pour cut-out: 34.2,85.9 34.2,85.035 33.1,85.035 33.1,85.9
  pour cut-out: 30.7,87.5 34.2,87.5 34.2,85.9 30.7,85.9
  pour cut-out: 30.3,66.4 33.8,66.4 33.8,64.8 30.3,64.8
  pour cut-out: 33.9,64.8 33.9,62.4 36.5,62.4 36.5,61.9 33.1,61.9 33.1,64.8
  region net AUX_BAT_IN: 10,36.3
  region net AUX_BAT_IN: 10,36.3
  pour cut-out: 30.3,41.1 33.8,41.1 33.8,39.5 30.3,39.5
  pour cut-out: 33.8,39.5 33.8,37.1 36.5,37.1 36.5,36.6 33.1,36.6 33.1,39.5
  region net AUX_FUSED: 30.3,41.1 30.3,45.9 37.8,45.9 37.8,48.2 44.725,48.2 44.725,37.1 33.8,37.1 33.8,41.1
  region: 33.1,66.4
  region net 3V3: 62.6,20.127 62.6,17.485 60.6,17.485 60.6,20.127
  region: 62.7,20
  region net VBAT: 62.65,22.7 62.65,20.9 59.6,20.9 59.6,22.7
  region: 51.9,83.3
  region net POWER_SUPLLY_FUSED: 43.1,89.1 44.7,89.1 44.7,71.5 40.1,71.5 40.1,89.1
  region net NetQ13_5: 30.3,90.5 39.7,90.5 39.7,85.2 34.2,85.2 34.2,87.5 30.3,87.5
  region net NetF3_3: 30,76 36.6,76 36.6,84.9 33.1,84.9 33.1,85.7 30,85.7
  region: 30.5,86.6
  region: 30.1,86.6
  region: 31.6,82.8
  region net AUX_FSD: 28.1,24 28.1,36.6 30.3,36.6 30.3,39.5 33.1,39.5 33.1,36.6 36.5,36.6 36.5,28.1 31.8,28.1 31.8,24
  region: 22.7,36.6
Signal:
  pour cut-out: -0.5,20.8 56.4,20.8 56.4,20.2 -0.5,20.2
  pour cut-out: 56.684,32.3 95,32.3 95,31.7 56.684,31.7
Bottom Layer:
  pour cut-out: 20.3,66.2
  pour cut-out: 64.065,25.535 64.065,32.3 56.865,32.3 56.865,25.535
  pour cut-out: -0.5,20.8 59.8,20.8 59.8,20.2 -0.5,20.2
  pour cut-out: 56.865,32.3 95,32.3 95,31.7 56.865,31.7
  pour cut-out: 36.4,36.4
  region net VBAT: 60.9,22.7 60.9,20.9 57,20.9 54.9,23 54.9,35.2 57,37.3 61.9,37.3 61.9,35.5 57.7,35.5 56.7,34.5 56.7,23.8 57.8,22.7

## Silkscreen, mask and mechanical layers (free items; w line width, h text height)
Top Overlay:
  drawing of 30 lines, arcs and shapes, not listed
  text "POWER SELECTION REV 1.0" at 72.846,41.854 h1.52 r90
Bottom Overlay:
  text "Power / Supply" at 10.6,85.9 h0.8
  text "GND" at 81.703,77.562 h0.8
  text "GND" at 9.803,71.662 h0.8
  text "VBAT" at 82.246,63.257 h0.8
  text "DCDC" at 10.1,61.6 h0.8
  text "GND" at 81.6,55.2 h0.8
  text "GND" at 9.803,47.262 h0.8
  text "VBAT" at 82,40.5 h0.8
  text "AUX" at 9.803,36.362 h0.8
  text "GND" at 9.803,22.062 h0.8
  text "Therm" at 21.75,7.05 h0.8
  text "GND" at 16.45,6.95 h0.8
  text "AUX / Switch" at 31.7,6.2 h0.8
  text "Therm" at 10.55,1.15 h0.8
  text "Fault" at 15.95,1.15 h0.8
  text "AUX / FUSED" at 34.6,0.7 h0.8